# Altium PCB MB1166.PcbDoc (part 31 of 39) (continued)
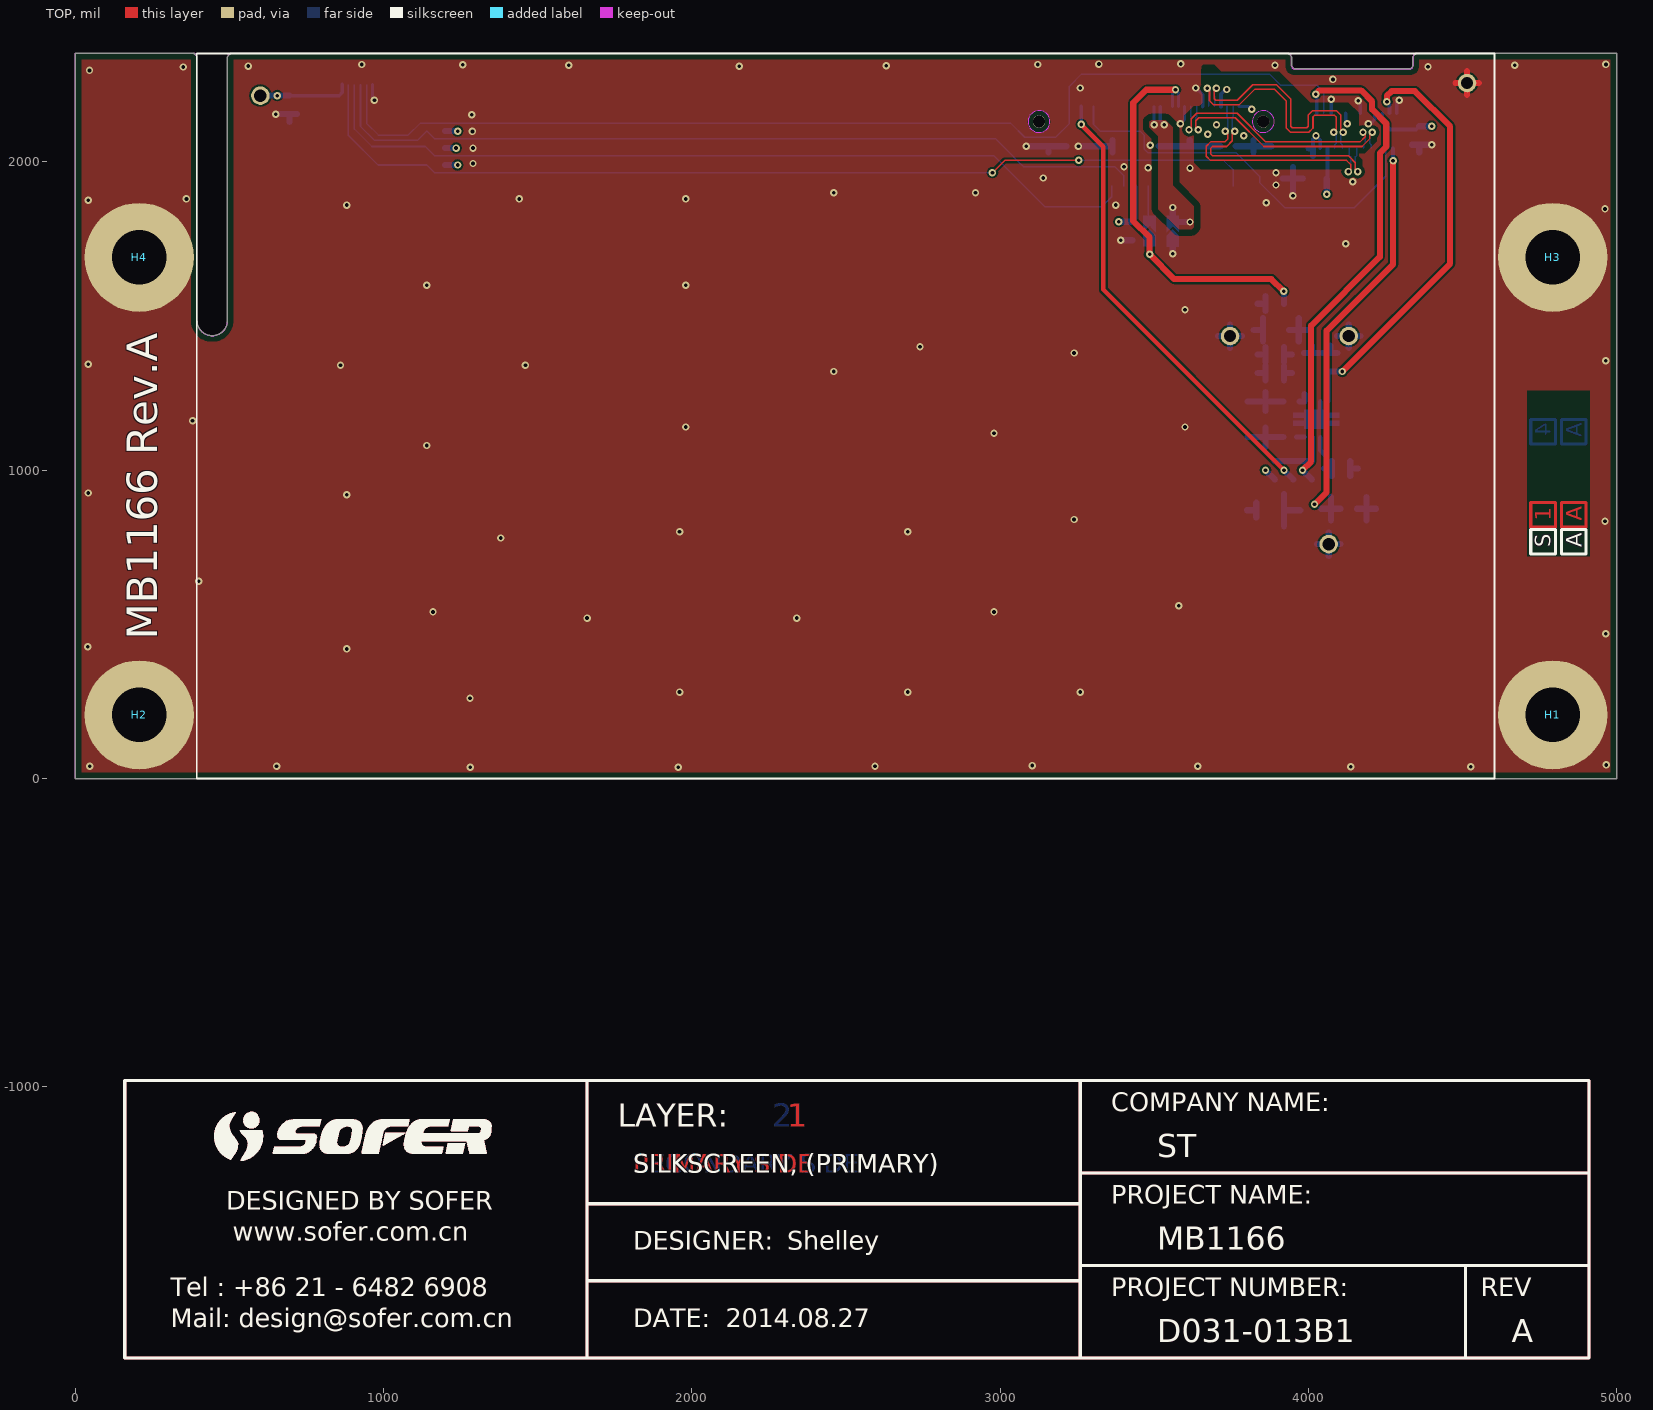
[diagram p0: TOP view]
## Nets (pads, with @x,y where several pads share a name; then routed paths per layer and width w, separated by ;. In a path a pad name is that pad's centre, name@x,y a point inside that pad or via, vN(x,y) a via of type N, cw(c..) or ccw(c..) an arc to the next point about the centre after c; other vN are vias at no path point) (continued)
; 1349.44,-1141.81 1349.44,-1141.71 ; 1349.44,-1141.71 1349.45,-1141.61 ; 1349.44,-1141.71 1349.45,-1141.61 ; 1349.45,-1141.61 1349.45,-1141.51 ; 1349.45,-1141.61 1349.45,-1141.51 ; 1349.45,-1141.51 1349.46,-1141.41 ; 1349.45,-1141.51 1349.46,-1141.41 ; 1349.46,-1141.41 1349.46,-1141.31 ; 1349.46,-1141.41 1349.46,-1141.31 ; 1349.46,-1141.31 1349.47,-1141.21 ; 1349.46,-1141.31 1349.47,-1141.21 ; 1349.47,-1141.21 1349.47,-1141.11 ; 1349.47,-1141.21 1349.47,-1141.11 ; 1349.47,-1141.11 1349.48,-1141.01 ; 1349.47,-1141.11 1349.48,-1141.01 ; 1349.47,-1136.81 1349.47,-1136.11 ; 1349.47,-1136.81 1349.48,-1136.91 ; 1349.47,-1136.81 1349.47,-1136.11 ; 1349.47,-1136.81 1349.48,-1136.91 ; 1349.47,-1136.11 1349.46,-1136.01 ; 1349.47,-1136.11 1349.46,-1136.01 ; 1349.46,-1136.01 1349.46,-1134.51 ; 1349.46,-1136.01 1349.46,-1134.51 ; 1349.46,-1134.51 1349.47,-1134.41 ; 1349.46,-1134.51 1349.47,-1134.41 ; 1349.47,-1134.41 1349.47,-1134.01 ; 1349.47,-1134.41 1349.47,-1134.01 ; 1349.47,-1134.01 1349.48,-1133.91 ; 1349.47,-1134.01 1349.48,-1133.91 ; 1349.47,-1130.71 1349.47,-1130.61 ; 1349.47,-1130.71 1349.48,-1130.81 ; 1349.47,-1130.71 1349.47,-1130.61 ; 1349.47,-1130.71 1349.48,-1130.81 ; 1349.47,-1130.61 1349.44,-1130.31 ; 1349.47,-1130.61 1349.44,-1130.31 ; 1349.44,-1130.31 1349.44,-1130.21 ; 1349.44,-1130.31 1349.44,-1130.21 ; 1349.48,-1141.01 1349.48,-1140.71 ; 1349.48,-1141.01 1349.48,-1140.71 ; 1349.48,-1140.71 1349.49,-1140.61 ; 1349.48,-1140.71 1349.49,-1140.61 ; 1349.49,-1140.61 1349.49,-1140.31 ; 1349.49,-1140.61 1349.49,-1140.31 ; 1349.49,-1140.31 1349.5,-1140.21 ; 1349.49,-1140.31 1349.5,-1140.21 ; 1349.5,-1140.21 1349.5,-1138.21 ; 1349.5,-1140.21 1349.5,-1138.21 ; 1349.5,-1138.21 1349.49,-1138.11 ; 1349.5,-1138.21 1349.49,-1138.11 ; 1349.49,-1138.11 1349.49,-1137.51 ; 1349.49,-1138.11 1349.49,-1137.51 ; 1349.49,-1137.51 1349.48,-1137.41 ; 1349.49,-1137.51 1349.48,-1137.41 ; 1349.48,-1137.41 1349.48,-1136.91 ; 1349.48,-1137.41 1349.48,-1136.91 ; 1349.48,-1133.91 1349.48,-1133.51 ; 1349.48,-1133.91 1349.48,-1133.51 ; 1349.48,-1133.51 1349.49,-1133.41 ; 1349.48,-1133.51 1349.49,-1133.41 ; 1349.49,-1133.41 1349.49,-1133.11 ; 1349.49,-1133.41 1349.49,-1133.11 ; 1349.49,-1133.11 1349.5,-1133.01 ; 1349.49,-1133.11 1349.5,-1133.01 ; 1349.5,-1133.01 1349.5,-1132.51 ; 1349.5,-1133.01 1349.5,-1132.51 ; 1349.5,-1132.52 1277.24,-1204.78 1349.5,-1132.52 ; 1349.5,-1132.51 1349.51,-1132.41 ; 1349.5,-1132.51 1349.51,-1132.41 ; 1349.51,-1132.41 1349.51,-1131.61 ; 1349.51,-1132.41 1349.51,-1131.61 ; 1349.51,-1131.61 1349.5,-1131.51 ; 1349.51,-1131.61 1349.5,-1131.51 ; 1349.5,-1131.51 1349.5,-1131.21 ; 1349.5,-1131.51 1349.5,-1131.21 ; 1349.5,-1131.21 1349.49,-1131.11 ; 1349.5,-1131.21 1349.49,-1131.11 ; 1349.49,-1131.11 1349.49,-1131.01 ; 1349.49,-1131.11 1349.49,-1131.01 ; 1349.49,-1131.01 1349.48,-1130.91 ; 1349.49,-1131.01 1349.48,-1130.91 ; 1349.48,-1130.91 1349.48,-1130.81 ; 1349.48,-1130.91 1349.48,-1130.81 ; 534.15,-1141.9 534.38,-1141.67 534.15,-1141.9 ; 545.75,-1112.33 574.9,-1083.19 545.75,-1112.33 ; 546.08,-1103.02 565.59,-1083.52 546.08,-1103.02 ; 546.57,-1116 578.56,-1084.01 546.57,-1116 ; 548.97,-1095.65 558.21,-1086.41 548.97,-1095.65 ; 642.91,-1214.98 662.16,-1195.74 642.91,-1214.98 ; 643.49,-1216.65 664.4,-1195.74 643.49,-1216.65 ; 643.55,-1212.11 659.91,-1195.74 643.55,-1212.11 ; 644.18,-1209.23 657.67,-1195.74 644.18,-1209.23 ; 644.81,-1206.35 655.42,-1195.74 644.81,-1206.35 ; 645.44,-1203.48 653.18,-1195.74 645.44,-1203.48 ; 645.74,-1216.65 666.65,-1195.74 645.74,-1216.65 ; 646.07,-1200.6 650.93,-1195.74 646.07,-1200.6 ; 647.98,-1216.65 668.89,-1195.74 647.98,-1216.65 ; 650.23,-1216.65 671.14,-1195.74 650.23,-1216.65 ; 652.47,-1216.65 673.38,-1195.74 652.47,-1216.65 ; 654.72,-1216.65 675.63,-1195.74 654.72,-1216.65 ; 656.64,-1156.36 706.23,-1106.77 656.64,-1156.36 ; 656.69,-1158.55 708.47,-1106.77 656.69,-1158.55 ; 656.86,-1153.89 703.98,-1106.77 656.86,-1153.89 ; 656.96,-1216.65 677.87,-1195.74 656.96,-1216.65 ; 657.17,-1151.34 701.39,-1107.12 657.17,-1151.34 ; 657.38,-1162.36 712.96,-1106.77 657.38,-1162.36 ; 657.46,-1148.8 698.64,-1107.62 657.46,-1148.8 ; 657.92,-1164.06 715.21,-1106.77 657.92,-1164.06 ; 658.18,-1145.84 695.75,-1108.27 658.18,-1145.84 ; 658.62,-1165.6 717.45,-1106.77 658.62,-1165.6 ; 659.21,-1216.65 680.12,-1195.74 659.21,-1216.65 ; 659.48,-1166.99 719.7,-1106.77 659.48,-1166.99 ; 659.73,-1142.04 692.67,-1109.1 659.73,-1142.04 ; 660.46,-1168.25 721.94,-1106.77 660.46,-1168.25 ; 661.45,-1216.65 682.36,-1195.74 661.45,-1216.65 ; 661.63,-1169.33 724.19,-1106.77 661.63,-1169.33 ; 662.02,-1137.5 689.27,-1110.26 662.02,-1137.5 ; 663.7,-1216.65 684.61,-1195.74 663.7,-1216.65 ; 664.6,-1132.68 685.22,-1112.06 664.6,-1132.68 ; 664.8,-1170.65 728.68,-1106.77 664.8,-1170.65 ; 665.95,-1216.65 686.85,-1195.74 665.95,-1216.65 ; 666.82,-1170.87 730.93,-1106.77 666.82,-1170.87 ; 668.19,-1216.65 689.1,-1195.74 668.19,-1216.65 ; 669.07,-1170.87 733.17,-1106.77 669.07,-1170.87 ; 670.44,-1216.65 691.34,-1195.74 670.44,-1216.65 ; 671.31,-1170.87 735.42,-1106.77 671.31,-1170.87 ; 672.68,-1216.65 693.59,-1195.74 672.68,-1216.65 ; 673.56,-1170.87 737.66,-1106.77 673.56,-1170.87 ; 674.93,-1216.65 695.83,-1195.74 674.93,-1216.65 ; 675.8,-1170.87 739.91,-1106.77 675.8,-1170.87 ; 677.17,-1216.65 698.08,-1195.74 677.17,-1216.65 ; 678.05,-1170.87 742.15,-1106.77 678.05,-1170.87 ; 679.42,-1216.65 700.32,-1195.74 679.42,-1216.65 ; 680.29,-1170.87 744.4,-1106.77 680.29,-1170.87 ; 681.66,-1216.65 702.57,-1195.74 681.66,-1216.65 ; 682.54,-1170.87 715.65,-1137.76 682.54,-1170.87 ; 683.91,-1216.65 704.81,-1195.74 683.91,-1216.65 ; 684.78,-1170.87 712.8,-1142.86 684.78,-1170.87 ; 686.15,-1216.65 707.06,-1195.74 686.15,-1216.65 ; 688.4,-1216.65 709.3,-1195.74 688.4,-1216.65 ; 689.27,-1170.87 712.07,-1148.07 689.27,-1170.87 ; 690.64,-1216.65 711.55,-1195.74 690.64,-1216.65 ; 691.52,-1170.87 712.61,-1149.78 691.52,-1170.87 ; 692.89,-1216.65 713.79,-1195.74 692.89,-1216.65 ; 693.76,-1170.87 713.63,-1151.01 693.76,-1170.87 ; 695.13,-1216.65 716.04,-1195.74 695.13,-1216.65 ; 696.01,-1170.87 714.89,-1151.99 696.01,-1170.87 ; 697.38,-1216.65 718.28,-1195.74 697.38,-1216.65 ; 698.26,-1170.87 716.68,-1152.44 698.26,-1170.87 ; 699.62,-1216.65 720.53,-1195.74 699.62,-1216.65 ; 700.5,-1170.87 718.92,-1152.44 700.5,-1170.87 ; 701.87,-1216.65 722.77,-1195.74 701.87,-1216.65 ; 702.75,-1170.87 721.17,-1152.44 702.75,-1170.87 ; 704.11,-1216.65 725.02,-1195.74 704.11,-1216.65 ; 704.99,-1170.87 723.41,-1152.44 704.99,-1170.87 ; 706.36,-1216.65 727.26,-1195.74 706.36,-1216.65 ; 707.24,-1170.87 725.66,-1152.44 707.24,-1170.87 ; 708.6,-1216.65 729.51,-1195.74 708.6,-1216.65 ; 709.48,-1170.87 727.9,-1152.44 709.48,-1170.87 ; 711.73,-1170.87 730.15,-1152.44 711.73,-1170.87 ; 713.09,-1216.65 735.89,-1193.85 713.09,-1216.65 ; 713.97,-1170.87 732.39,-1152.44 713.97,-1170.87 ; 715.34,-1216.65 739.74,-1192.24 715.34,-1216.65 ; 716.22,-1170.87 734.64,-1152.44 716.22,-1170.87 ; 717.58,-1216.65 778.43,-1155.8 717.58,-1216.65 ; 718.46,-1170.87 736.88,-1152.44 718.46,-1170.87 ; 719.83,-1216.65 779.5,-1156.97 719.83,-1216.65 ; 720,-1133.4 746.64,-1106.77 720,-1133.4 ; 720.71,-1170.87 739.13,-1152.44 720.71,-1170.87 ; 722.95,-1170.87 741.37,-1152.44 722.95,-1170.87 ; 724.32,-1216.65 781.25,-1159.71 724.32,-1216.65 ; 725.2,-1170.87 743.62,-1152.44 725.2,-1170.87 ; 725.57,-1130.09 748.89,-1106.77 725.57,-1130.09 ; 726.56,-1216.65 781.81,-1161.4 726.56,-1216.65 ; 727.44,-1170.87 745.86,-1152.44 727.44,-1170.87 ; 728.81,-1216.65 782.09,-1163.36 728.81,-1216.65 ; 729.12,-1128.78 751.13,-1106.77 729.12,-1128.78 ; 729.69,-1170.87 748.11,-1152.44 729.69,-1170.87 ; 731.05,-1216.65 782.13,-1165.57 731.05,-1216.65 ; 731.93,-1170.87 750.35,-1152.44 731.93,-1170.87 ; 732.2,-1127.95 753.38,-1106.77 732.2,-1127.95 ; 733.3,-1216.65 782.06,-1167.88 733.3,-1216.65 ; 734.18,-1170.87 752.6,-1152.44 734.18,-1170.87 ; 734.65,-1127.74 755.62,-1106.77 734.65,-1127.74 ; 735.54,-1216.65 782.05,-1170.14 735.54,-1216.65 ; 736.42,-1170.87 754.84,-1152.44 736.42,-1170.87 ; 736.89,-1127.74 757.87,-1106.77 736.89,-1127.74 ; 737.82,-1216.61 782.05,-1172.38 737.82,-1216.61 ; 738.67,-1170.87 757.09,-1152.44 738.67,-1170.87 ; 739.14,-1127.74 760.11,-1106.77 739.14,-1127.74 ; 740.39,-1216.29 781.92,-1174.76 740.39,-1216.29 ; 740.91,-1170.87 759.33,-1152.44 740.91,-1170.87 ; 741.38,-1127.74 762.36,-1106.77 741.38,-1127.74 ; 743.16,-1170.87 761.58,-1152.44 743.16,-1170.87 ; 743.2,-1215.72 781.52,-1177.41 743.2,-1215.72 ; 743.63,-1127.74 764.6,-1106.77 743.63,-1127.74 ; 745.4,-1170.87 763.82,-1152.44 745.4,-1170.87 ; 745.87,-1127.74 766.85,-1106.77 745.87,-1127.74 ; 746.15,-1215.02 780.67,-1180.5 746.15,-1215.02 ; 746.58,-1185.41 777.26,-1154.73 746.58,-1185.41 ; 747.09,-1171.42 766.07,-1152.44 747.09,-1171.42 ; 747.98,-1181.76 775.97,-1153.77 747.98,-1181.76 ; 748.12,-1127.74 769.09,-1106.77 748.12,-1127.74 ; 748.36,-1172.4 768.31,-1152.44 748.36,-1172.4 ; 748.78,-1178.71 774.55,-1152.94 748.78,-1178.71 ; 749.15,-1173.85 770.56,-1152.44 749.15,-1173.85 ; 749.25,-1214.17 779.27,-1184.14 749.25,-1214.17 ; 749.31,-1175.94 772.8,-1152.44 749.31,-1175.94 ; 750.36,-1127.74 771.34,-1106.77 750.36,-1127.74 ; 752.61,-1127.74 773.58,-1106.77 752.61,-1127.74 ; 752.84,-1212.82 777.27,-1188.39 752.84,-1212.82 ; 754.85,-1127.74 775.83,-1106.77 754.85,-1127.74 ; 757.1,-1127.74 778.07,-1106.77 757.1,-1127.74 ; 757.18,-1210.72 774.17,-1193.73 757.18,-1210.72 ; 759.34,-1127.74 780.32,-1106.77 759.34,-1127.74 ; 761.59,-1127.74 782.56,-1106.77 761.59,-1127.74 ; 763.83,-1127.74 784.81,-1106.77 763.83,-1127.74 ; 766.08,-1127.74 787.05,-1106.77 766.08,-1127.74 ; 768.32,-1127.74 789.3,-1106.77 768.32,-1127.74 ; 770.57,-1127.74 791.54,-1106.77 770.57,-1127.74 ; 772.81,-1127.74 793.79,-1106.77 772.81,-1127.74 ; 775.06,-1127.74 796.03,-1106.77 775.06,-1127.74 ; 777.3,-1127.74 796.39,-1108.65 777.3,-1127.74 ; 779.55,-1127.74 795.75,-1111.53 779.55,-1127.74 ; 781.79,-1127.74 795.12,-1114.41 781.79,-1127.74 ; 784.04,-1127.74 794.48,-1117.29 784.04,-1127.74 ; 786.28,-1127.74 793.85,-1120.17 786.28,-1127.74 ; 788.53,-1127.74 793.22,-1123.05 788.53,-1127.74 ; 793.79,-1192.08 879.13,-1106.74 793.79,-1192.08 ; 793.81,-1189.81 876.88,-1106.74 793.81,-1189.81 ; 793.8,-1185.33 872.39,-1106.74 793.8,-1185.33 ; 793.84,-1187.54 874.64,-1106.74 793.84,-1187.54 ; 793.85,-1183.04 870.15,-1106.74 793.85,-1183.04 ; 794.13,-1180.51 867.9,-1106.74 794.13,-1180.51 ; 794.58,-1198.02 885.86,-1106.74 794.58,-1198.02 ; 794.64,-1177.76 865.66,-1106.74 794.64,-1177.76 ; 795.24,-1174.92 863.41,-1106.74 795.24,-1174.92 ; 795.73,-1201.36 861.56,-1135.53 795.73,-1201.36 ; 795.85,-1172.05 861.17,-1106.74 795.85,-1172.05 ; 796.48,-1169.18 858.92,-1106.74 796.48,-1169.18 ; 797.12,-1166.3 856.68,-1106.74 797.12,-1166.3 ; 797.27,-1204.31 855.04,-1146.54 797.27,-1204.31 ; 797.76,-1163.41 854.43,-1106.74 797.76,-1163.41 ; 798.17,-1205.66 854.54,-1149.29 798.17,-1205.66 ; 799.16,-1206.91 854,-1152.07 799.16,-1206.91 ; 799.2,-1157.48 849.94,-1106.74 799.2,-1157.48 ; 800.06,-1154.37 847.7,-1106.74 800.06,-1154.37 ; 800.24,-1208.07 853.41,-1154.91 800.24,-1208.07 ; 801.07,-1151.12 845.11,-1107.08 801.07,-1151.12 ; 802.25,-1147.7 842.15,-1107.8 802.25,-1147.7 ; 803.69,-1144.01 838.98,-1108.72 803.69,-1144.01 ; 808.27,-1134.94 831.37,-1111.84 808.27,-1134.94 ; 811.66,-1214.62 847.94,-1178.33 811.66,-1214.62 ; 812.6,-1128.36 825.61,-1115.35 812.6,-1128.36 ; 815.29,-1215.48 847.48,-1183.29 815.29,-1215.48 ; 821.16,-1216.34 848.77,-1188.73 821.16,-1216.34 ; 825.65,-1216.34 850.81,-1191.18 825.65,-1216.34 ; 827.89,-1216.34 852.05,-1192.18 827.89,-1216.34 ; 832.38,-1216.34 854.83,-1193.9 832.38,-1216.34 ; 836.87,-1216.34 858.32,-1194.9 836.87,-1216.34 ; 839.12,-1216.34 860.17,-1195.29 839.12,-1216.34 ; 841.36,-1216.34 862.03,-1195.68 841.36,-1216.34 ; 843.61,-1216.34 863.9,-1196.05 843.61,-1216.34 ; 845.85,-1216.34 866.06,-1196.14 845.85,-1216.34 ; 848.1,-1216.34 868.55,-1195.89 848.1,-1216.34 ; 850.34,-1216.34 871.16,-1195.52 850.34,-1216.34 ; 852.59,-1216.34 873.88,-1195.05 852.59,-1216.34 ; 854.83,-1216.34 877.03,-1194.15 854.83,-1216.34 ; 857.08,-1216.34 880.87,-1192.56 857.08,-1216.34 ; 859.32,-1216.34 885.98,-1189.69 859.32,-1216.34 ; 861.57,-1216.34 930.07,-1147.84 861.57,-1216.34 ; 863.81,-1216.34 929.81,-1150.35 863.81,-1216.34 ; 868.3,-1216.34 929.19,-1155.46 868.3,-1216.34 ; 872.79,-1216.34 928.36,-1160.78 872.79,-1216.34 ; 875.04,-1216.34 927.71,-1163.68 875.04,-1216.34 ; 875.59,-1128.23 897.09,-1106.74 875.59,-1128.23 ; 878.31,-1127.76 899.33,-1106.74 878.31,-1127.76 ; 880.69,-1127.63 901.48,-1106.84 880.69,-1127.63 ; 881.77,-1216.34 925.76,-1172.36 881.77,-1216.34 ; 884.39,-1215.98 925.15,-1175.22 884.39,-1215.98 ; 885.03,-1127.78 905.36,-1107.45 885.03,-1127.78 ; 887.08,-1215.53 924.33,-1178.28 887.08,-1215.53 ; 888.8,-1186.86 930.12,-1145.55 888.8,-1186.86 ; 891.5,-1181.92 930.09,-1143.33 891.5,-1181.92 ; 892.34,-1129.44 912.24,-1109.55 892.34,-1129.44 ; 892.98,-1214.12 922.17,-1184.93 892.98,-1214.12 ; 893.69,-1130.34 913.85,-1110.18 893.69,-1130.34 ; 893.87,-1175.06 930.1,-1138.83 893.87,-1175.06 ; 896.08,-1166.11 929.5,-1132.7 896.08,-1166.11 ; 896.63,-1163.32 929.07,-1130.88 896.63,-1163.32 ; 897.55,-1157.91 928.04,-1127.42 897.55,-1157.91 ; 897.99,-1135.02 919.2,-1113.81 897.99,-1135.02 ; 898.7,-1150.03 926.12,-1122.61 898.7,-1150.03 ; 898.68,-1136.57 920.32,-1114.94 898.68,-1136.57 ; 899.25,-1138.25 921.45,-1116.06 899.25,-1138.25 ; 899.62,-1140.13 922.55,-1117.2 899.62,-1140.13 ; 929.95,-1215.32 998.4,-1146.87 929.95,-1215.32 ; 930.57,-1212.45 999.49,-1143.53 930.57,-1212.45 ; 931.17,-1216.34 997.93,-1149.58 931.17,-1216.34 ; 931.19,-1209.59 1003.05,-1137.72 931.19,-1209.59 ; 932.4,-1203.89 1029.55,-1106.74 932.4,-1203.89 ; 933,-1201.04 1027.3,-1106.74 933,-1201.04 ; 933.41,-1216.34 997.25,-1152.51 933.41,-1216.34 ; 933.59,-1198.2 1025.06,-1106.74 933.59,-1198.2 ; 934.19,-1195.36 1022.81,-1106.74 934.19,-1195.36 ; 935.38,-1189.68 1018.32,-1106.74 935.38,-1189.68 ; 935.99,-1186.83 1016.08,-1106.74 935.99,-1186.83 ; 936.59,-1183.98 1013.83,-1106.74 936.59,-1183.98 ; 937.21,-1181.12 1011.59,-1106.74 937.21,-1181.12 ; 937.83,-1178.25 1009.34,-1106.74 937.83,-1178.25 ; 937.9,-1216.34 996.28,-1157.97 937.9,-1216.34 ; 939.78,-1169.57 1002.6,-1106.74 939.78,-1169.57 ; 940.15,-1216.34 995.53,-1160.97 940.15,-1216.34 ; 940.46,-1166.64 1000.36,-1106.74 940.46,-1166.64 ; 941.16,-1163.7 998.11,-1106.74 941.16,-1163.7 ; 941.88,-1160.73 995.87,-1106.74 941.88,-1160.73 ; 944.4,-1151.47 988.36,-1107.52 944.4,-1151.47 ; 944.64,-1216.34 994.31,-1166.68 944.64,-1216.34 ; 946.98,-1144.41 982.35,-1109.03 946.98,-1144.41 ; 951.37,-1216.34 992.74,-1174.97 951.37,-1216.34 ; 953.62,-1216.34 992.11,-1177.85 953.62,-1216.34 ; 956.52,-1128.13 968.82,-1115.83 956.52,-1128.13 ; 958.11,-1216.34 990.73,-1183.72 958.11,-1216.34 ; 962.6,-1216.34 989.29,-1189.65 962.6,-1216.34 ; 971.58,-1216.34 986.59,-1201.33 971.58,-1216.34 ; 976.07,-1216.34 985.32,-1207.09 976.07,-1216.34 ; 978.31,-1216.34 984.68,-1209.97 978.31,-1216.34 ; 980.56,-1216.34 984.04,-1212.86 980.56,-1216.34 ; 982.8,-1216.34 983.38,-1215.77 982.8,-1216.34 ; 998.62,-1189.3 1037.73,-1150.19 998.62,-1189.3 ; 999.23,-1186.45 1035.48,-1150.19 999.23,-1186.45 ; 999.83,-1183.6 1033.24,-1150.19 999.83,-1183.6 ; 1000.44,-1180.75 1030.99,-1150.19 1000.44,-1180.75 ; 1001.04,-1177.9 1028.75,-1150.19 1001.04,-1177.9 ; 1001.65,-1175.05 1026.5,-1150.19 1001.65,-1175.05 ; 1002.25,-1172.2 1024.26,-1150.19 1002.25,-1172.2 ; 1002.87,-1187.3 1039.97,-1150.19 1002.87,-1187.3 ; 1002.86,-1169.35 1022.01,-1150.19 1002.86,-1169.35 ; 1003.46,-1166.5 1019.77,-1150.19 1003.46,-1166.5 ; 1004.07,-1163.65 1017.52,-1150.19 1004.07,-1163.65 ; 1004.68,-1160.8 1015.28,-1150.19 1004.68,-1160.8 ; 1005.28,-1157.95 1013.03,-1150.19 1005.28,-1157.95 ; 1005.89,-1155.1 1010.79,-1150.19 1005.89,-1155.1 ; 1006.49,-1152.24 1008.54,-1150.19 1006.49,-1152.24 ; 1007.77,-1133.01 1034.04,-1106.74 1007.77,-1133.01 ; 1007.89,-1184.52 1042.22,-1150.19 1007.89,-1184.52 ; 1012.91,-1181.74 1044.46,-1150.19 1012.91,-1181.74 ; 1013.03,-1129.99 1036.28,-1106.74 1013.03,-1129.99 ; 1016.56,-1128.71 1038.53,-1106.74 1016.56,-1128.71 ; 1017.94,-1178.97 1046.71,-1150.19 1017.94,-1178.97 ; 1019.72,-1127.79 1040.77,-1106.74 1019.72,-1127.79 ; 1022,-1127.76 1043.02,-1106.74 1022,-1127.76 ; 1022.96,-1176.19 1048.95,-1150.19 1022.96,-1176.19 ; 1024.24,-1127.76 1045.26,-1106.74 1024.24,-1127.76 ; 1026.49,-1127.76 1047.51,-1106.74 1026.49,-1127.76 ; 1027.98,-1173.41 1051.2,-1150.19 1027.98,-1173.41 ; 1028.73,-1127.76 1049.75,-1106.74 1028.73,-1127.76 ; 1030.98,-1127.76 1052,-1106.74 1030.98,-1127.76 ; 1033,-1170.64 1053.44,-1150.19 1033,-1170.64 ; 1033.22,-1127.76 1054.24,-1106.74 1033.22,-1127.76 ; 1035.47,-1127.76 1056.49,-1106.74 1035.47,-1127.76 ; 1037.71,-1127.76 1058.73,-1106.74 1037.71,-1127.76 ; 1038.02,-1167.86 1055.69,-1150.19 1038.02,-1167.86 ; 1039.96,-1127.76 1060.98,-1106.74 1039.96,-1127.76 ; 1042.2,-1127.76 1063.22,-1106.74 1042.2,-1127.76 ; 1043.04,-1165.08 1057.93,-1150.19 1043.04,-1165.08 ; 1044.45,-1127.76 1065.47,-1106.74 1044.45,-1127.76 ; 1046.69,-1127.76 1067.71,-1106.74 1046.69,-1127.76 ; 1048.07,-1162.31 1060.18,-1150.19 1048.07,-1162.31 ; 1048.94,-1127.76 1069.96,-1106.74 1048.94,-1127.76 ; 1051.18,-1127.76 1072.2,-1106.74 1051.18,-1127.76 ; 1053.09,-1159.53 1062.42,-1150.19 1053.09,-1159.53 ; 1053.43,-1127.76 1074.45,-1106.74 1053.43,-1127.76 ; 1055.67,-1127.76 1076.69,-1106.74 1055.67,-1127.76 ; 1057.92,-1127.76 1078.94,-1106.74 1057.92,-1127.76 ; 1058.11,-1156.75 1064.67,-1150.19 1058.11,-1156.75 ; 1060.16,-1127.76 1081.18,-1106.74 1060.16,-1127.76 ; 1062.41,-1127.76 1083.43,-1106.74 1062.41,-1127.76 ; 1063.13,-1153.98 1066.91,-1150.19 1063.13,-1153.98 ; 1064.65,-1127.76 1082.91,-1109.5 1064.65,-1127.76 ; 1066.9,-1127.76 1082.3,-1112.35 1066.9,-1127.76 ; 1067.35,-1187.93 1148.53,-1106.74 1067.35,-1187.93 ; 1067.37,-1185.66 1146.29,-1106.74 1067.37,-1185.66 ; 1067.52,-1192.24 1153.02,-1106.74 1067.52,-1192.24 ; 1067.68,-1180.86 1141.8,-1106.74 1067.68,-1180.86 ; 1068.08,-1196.18 1157.51,-1106.74 1068.08,-1196.18 ; 1068.15,-1151.2 1069.16,-1150.19 1068.15,-1151.2 ; 1068.47,-1175.58 1137.31,-1106.74 1068.47,-1175.58 ; 1068.53,-1197.97 1159.76,-1106.74 1068.53,-1197.97 ; 1069.1,-1199.65 1162,-1106.74 1069.1,-1199.65 ; 1069.14,-1127.76 1081.7,-1115.2 1069.14,-1127.76 ; 1069.8,-1169.76 1132.82,-1106.74 1069.8,-1169.76 ; 1070.53,-1166.78 1130.57,-1106.74 1070.53,-1166.78 ; 1071.19,-1163.88 1128.33,-1106.74 1071.19,-1163.88 ; 1071.39,-1127.76 1081.1,-1118.05 1071.39,-1127.76 ; 1071.81,-1161.02 1126.08,-1106.74 1071.81,-1161.02 ; 1073.22,-1155.11 1121.59,-1106.74 1073.22,-1155.11 ; 1073.37,-1206.6 1127.94,-1152.03 1073.37,-1206.6 ; 1074.2,-1151.89 1119.35,-1106.74 1074.2,-1151.89 ; 1074.41,-1207.81 1130.19,-1152.03 1074.41,-1207.81 ; 1075.51,-1208.95 1132.43,-1152.03 1075.51,-1208.95 ; 1075.88,-1127.76 1079.89,-1123.75 1075.88,-1127.76 ; 1076.72,-1209.99 1134.68,-1152.03 1076.72,-1209.99 ; 1078.04,-1210.91 1136.92,-1152.03 1078.04,-1210.91 ; 1078.7,-1140.66 1110.73,-1108.63 1078.7,-1140.66 ; 1079.5,-1211.69 1139.17,-1152.03 1079.5,-1211.69 ; 1080.98,-1136.13 1106.98,-1110.12 1080.98,-1136.13 ; 1081.05,-1212.39 1141.41,-1152.03 1081.05,-1212.39 ; 1082.64,-1213.05 1143.66,-1152.03 1082.64,-1213.05 ; 1084.26,-1213.67 1121.54,-1176.39 1084.26,-1213.67 ; 1084.57,-1130.29 1101.8,-1113.07 1084.57,-1130.29 ; 1089.55,-1215.11 1121.07,-1183.6 1089.55,-1215.11 ; 1099.55,-1216.34 1124.67,-1191.22 1099.55,-1216.34 ; 1101.79,-1216.34 1125.88,-1192.26 1101.79,-1216.34 ; 1104.04,-1216.34 1127.36,-1193.02 1104.04,-1216.34 ; 1106.28,-1216.34 1128.97,-1193.65 1106.28,-1216.34 ; 1108.53,-1216.34 1130.66,-1194.21 1108.53,-1216.34 ; 1110.77,-1216.34 1132.4,-1194.71 1110.77,-1216.34 ; 1115.26,-1216.34 1135.94,-1195.66 1115.26,-1216.34 ; 1117.51,-1216.34 1138.11,-1195.74 1117.51,-1216.34 ; 1119.75,-1216.34 1140.36,-1195.74 1119.75,-1216.34 ; 1121.96,-1175.97 1145.9,-1152.03 1121.96,-1175.97 ; 1122,-1216.34 1142.6,-1195.74 1122,-1216.34 ; 1124.21,-1175.97 1148.15,-1152.03 1124.21,-1175.97 ; 1124.24,-1216.34 1144.85,-1195.74 1124.24,-1216.34 ; 1126.45,-1175.97 1150.39,-1152.03 1126.45,-1175.97 ; 1126.49,-1216.34 1147.09,-1195.74 1126.49,-1216.34 ; 1128.7,-1175.97 1152.64,-1152.03 1128.7,-1175.97 ; 1128.73,-1216.34 1149.34,-1195.74 1128.73,-1216.34 ; 1130.94,-1175.97 1154.88,-1152.03 1130.94,-1175.97 ; 1130.98,-1216.34 1151.59,-1195.74 1130.98,-1216.34 ; 1133.22,-1216.34 1153.83,-1195.74 1133.22,-1216.34 ; 1133.19,-1175.97 1157.13,-1152.03 1133.19,-1175.97 ; 1135.47,-1216.34 1156.08,-1195.74 1135.47,-1216.34 ; 1135.43,-1175.97 1159.37,-1152.03 1135.43,-1175.97 ; 1137.71,-1216.34 1158.32,-1195.74 1137.71,-1216.34 ; 1137.68,-1175.97 1161.62,-1152.03 1137.68,-1175.97 ; 1139.92,-1175.97 1163.86,-1152.03 1139.92,-1175.97 ; 1139.96,-1216.34 1160.57,-1195.74 1139.96,-1216.34 ; 1140.05,-1130.94 1164.25,-1106.74 1140.05,-1130.94 ; 1142.17,-1175.97 1166.11,-1152.03 1142.17,-1175.97 ; 1142.2,-1216.34 1162.81,-1195.74 1142.2,-1216.34 ; 1144.41,-1175.97 1168.35,-1152.03 1144.41,-1175.97 ; 1144.45,-1216.34 1165.06,-1195.74 1144.45,-1216.34 ; 1146.66,-1175.97 1170.6,-1152.03 1146.66,-1175.97 ; 1146.69,-1216.34 1167.3,-1195.74 1146.69,-1216.34 ; 1148.9,-1175.97 1172.84,-1152.03 1148.9,-1175.97 ; 1148.94,-1216.34 1169.55,-1195.74 1148.94,-1216.34 ; 1150.77,-1126.95 1170.98,-1106.74 1150.77,-1126.95 ; 1151.15,-1175.97 1175.09,-1152.03 1151.15,-1175.97 ; 1151.18,-1216.34 1171.79,-1195.74 1151.18,-1216.34 ; 1153.02,-1126.95 1173.23,-1106.74 1153.02,-1126.95 ; 1153.39,-1175.97 1177.33,-1152.03 1153.39,-1175.97 ; 1153.43,-1216.34 1174.04,-1195.74 1153.43,-1216.34 ; 1155.26,-1126.95 1175.47,-1106.74 1155.26,-1126.95 ; 1155.67,-1216.34 1176.28,-1195.74 1155.67,-1216.34 ; 1155.64,-1175.97 1179.58,-1152.03 1155.64,-1175.97 ; 1157.51,-1126.95 1177.72,-1106.74 1157.51,-1126.95 ; 1157.92,-1216.34 1178.53,-1195.74 1157.92,-1216.34 ; 1157.88,-1175.97 1181.82,-1152.03 1157.88,-1175.97 ; 1159.75,-1126.95 1179.97,-1106.74 1159.75,-1126.95 ; 1160.16,-1216.34 1180.77,-1195.74 1160.16,-1216.34 ; 1160.13,-1175.97 1184.07,-1152.03 1160.13,-1175.97 ; 1162,-1126.95 1182.21,-1106.74 1162,-1126.95 ; 1162.37,-1175.97 1186.31,-1152.03 1162.37,-1175.97 ; 1162.41,-1216.34 1183.02,-1195.74 1162.41,-1216.34 ; 1164.24,-1126.95 1184.46,-1106.74 1164.24,-1126.95 ; 1164.62,-1175.97 1188.56,-1152.03 1164.62,-1175.97 ; 1164.65,-1216.34 1185.26,-1195.74 1164.65,-1216.34 ; 1166.49,-1126.95 1186.7,-1106.74 1166.49,-1126.95 ; 1166.86,-1175.97 1190.8,-1152.03 1166.86,-1175.97 ; 1166.9,-1216.34 1187.51,-1195.74 1166.9,-1216.34 ; 1168.73,-1126.95 1188.95,-1106.74 1168.73,-1126.95 ; 1169.11,-1175.97 1193.05,-1152.03 1169.11,-1175.97 ; 1169.14,-1216.34 1189.75,-1195.74 1169.14,-1216.34 ; 1170.98,-1126.95 1191.19,-1106.74 1170.98,-1126.95 ; 1171.35,-1175.97 1195.29,-1152.03 1171.35,-1175.97 ; 1171.39,-1216.34 1192,-1195.74 1171.39,-1216.34 ; 1173.22,-1126.95 1193.44,-1106.74 1173.22,-1126.95 ; 1173.6,-1175.97 1197.54,-1152.03 1173.6,-1175.97 ; 1173.63,-1216.34 1193.93,-1196.05 1173.63,-1216.34 ; 1175.47,-1126.95 1195.68,-1106.74 1175.47,-1126.95 ; 1175.84,-1175.97 1199.78,-1152.03 1175.84,-1175.97 ; 1175.88,-1216.34 1193.22,-1199 1175.88,-1216.34 ; 1177.71,-1126.95 1197.93,-1106.74 1177.71,-1126.95 ; 1178.12,-1216.34 1192.52,-1201.95 1178.12,-1216.34 ; 1178.09,-1175.97 1202.03,-1152.03 1178.09,-1175.97 ; 1179.96,-1126.95 1200.17,-1106.74 1179.96,-1126.95 ; 1180.37,-1216.34 1191.81,-1204.9 1180.37,-1216.34 ; 1180.33,-1175.97 1204.27,-1152.03 1180.33,-1175.97 ; 1182.2,-1126.95 1202.42,-1106.74 1182.2,-1126.95 ; 1182.61,-1216.34 1191.11,-1207.85 1182.61,-1216.34 ; 1182.58,-1175.97 1206.52,-1152.03 1182.58,-1175.97 ; 1184.45,-1126.95 1204.66,-1106.74 1184.45,-1126.95 ; 1184.82,-1175.97 1208.76,-1152.03 1184.82,-1175.97 ; 1184.86,-1216.34 1190.41,-1210.8 1184.86,-1216.34 ; 1186.7,-1126.95 1206.91,-1106.74 1186.7,-1126.95 ; 1187.07,-1175.97 1211.01,-1152.03 1187.07,-1175.97 ; 1187.1,-1216.34 1189.7,-1213.75 1187.1,-1216.34 ; 1188.94,-1126.95 1209.15,-1106.74 1188.94,-1126.95 ; 1189.31,-1175.97 1213.25,-1152.03 1189.31,-1175.97 ; 1191.19,-1126.95 1211.4,-1106.74 1191.19,-1126.95 ; 1191.56,-1175.97 1215.5,-1152.03 1191.56,-1175.97 ; 1193.8,-1175.97 1217.74,-1152.03 1193.8,-1175.97 ; 1195.68,-1126.95 1213.01,-1109.61 1195.68,-1126.95 ; 1196.05,-1175.97 1219.99,-1152.03 1196.05,-1175.97 ; 1197.92,-1126.95 1212.36,-1112.51 1197.92,-1126.95 ; 1198.29,-1175.97 1222.23,-1152.03 1198.29,-1175.97 ; 1200.17,-1126.95 1211.7,-1115.41 1200.17,-1126.95 ; 1200.54,-1175.97 1224.48,-1152.03 1200.54,-1175.97 ; 1202.41,-1126.95 1211.05,-1118.31 1202.41,-1126.95 ; 1202.78,-1175.97 1226.72,-1152.03 1202.78,-1175.97 ; 1203.19,-1215.97 1234.93,-1184.24 1203.19,-1215.97 ; 1203.82,-1213.1 1232.68,-1184.24 1203.82,-1213.1 ; 1204.44,-1210.23 1230.44,-1184.24 1204.44,-1210.23 ; 1204.66,-1126.95 1210.39,-1121.22 1204.66,-1126.95 ; 1205.06,-1216.34 1237.17,-1184.24 1205.06,-1216.34 ; 1205.07,-1207.36 1228.19,-1184.24 1205.07,-1207.36 ; 1205.03,-1175.97 1228.97,-1152.03 1205.03,-1175.97 ; 1205.7,-1204.49 1225.95,-1184.24 1205.7,-1204.49 ; 1206.32,-1201.62 1223.7,-1184.24 1206.32,-1201.62 ; 1206.9,-1126.95 1209.73,-1124.12 1206.9,-1126.95 ; 1206.95,-1198.74 1221.46,-1184.24 1206.95,-1198.74 ; 1207.27,-1175.97 1231.21,-1152.03 1207.27,-1175.97 ; 1207.31,-1216.34 1239.42,-1184.24 1207.31,-1216.34 ; 1207.58,-1195.87 1219.21,-1184.24 1207.58,-1195.87 ; 1208.2,-1193 1216.97,-1184.24 1208.2,-1193 ; 1208.83,-1190.13 1214.72,-1184.24 1208.83,-1190.13 ; 1209.46,-1187.26 1212.48,-1184.24 1209.46,-1187.26 ; 1209.52,-1175.97 1233.46,-1152.03 1209.52,-1175.97 ; 1209.55,-1216.34 1241.66,-1184.24 1209.55,-1216.34 ; 1210.08,-1184.38 1210.23,-1184.24 1210.08,-1184.38 ; 1211.76,-1175.97 1235.7,-1152.03 1211.76,-1175.97 ; 1211.8,-1216.34 1243.91,-1184.24 1211.8,-1216.34 ; 1214.01,-1175.97 1237.95,-1152.03 1214.01,-1175.97 ; 1214.04,-1216.34 1246.15,-1184.24 1214.04,-1216.34 ; 1216.25,-1175.97 1240.19,-1152.03 1216.25,-1175.97 ; 1216.29,-1216.34 1248.4,-1184.24 1216.29,-1216.34 ; 1218.5,-1175.97 1242.44,-1152.03 1218.5,-1175.97 ; 1218.53,-1216.34 1250.64,-1184.24 1218.53,-1216.34 ; 1219.59,-1143.45 1256.3,-1106.74 1219.59,-1143.45 ; 1220.2,-1140.6 1254.05,-1106.74 1220.2,-1140.6 ; 1220.74,-1175.97 1244.68,-1152.03 1220.74,-1175.97 ; 1220.78,-1216.34 1252.89,-1184.24 1220.78,-1216.34 ; 1220.83,-1137.71 1251.81,-1106.74 1220.83,-1137.71 ; 1221.47,-1134.83 1249.56,-1106.74 1221.47,-1134.83 ; 1221.84,-1143.45 1258.54,-1106.74 1221.84,-1143.45 ; 1222.11,-1131.95 1247.32,-1106.74 1222.11,-1131.95 ; 1222.75,-1129.06 1245.07,-1106.74 1222.75,-1129.06 ; 1223.02,-1216.34 1255.13,-1184.24 1223.02,-1216.34 ; 1222.99,-1175.97 1246.93,-1152.03 1222.99,-1175.97 ; 1223.39,-1126.18 1242.83,-1106.74 1223.39,-1126.18 ; 1224.02,-1123.3 1240.58,-1106.74 1224.02,-1123.3 ; 1224.08,-1143.45 1260.79,-1106.74 1224.08,-1143.45 ; 1224.66,-1120.41 1238.34,-1106.74 1224.66,-1120.41 ; 1225.27,-1216.34 1257.38,-1184.24 1225.27,-1216.34 ; 1225.23,-1175.97 1249.17,-1152.03 1225.23,-1175.97 ; 1225.3,-1117.53 1236.09,-1106.74 1225.3,-1117.53 ; 1225.94,-1114.65 1233.85,-1106.74 1225.94,-1114.65 ; 1226.33,-1143.45 1263.03,-1106.74 1226.33,-1143.45 ; 1226.58,-1111.76 1231.6,-1106.74 1226.58,-1111.76 ; 1227.22,-1108.88 1229.36,-1106.74 1227.22,-1108.88 ; 1227.51,-1216.34 1259.62,-1184.24 1227.51,-1216.34 ; 1227.48,-1175.97 1251.42,-1152.03 1227.48,-1175.97 ; 1228.57,-1143.45 1265.28,-1106.74 1228.57,-1143.45 ; 1229.72,-1175.97 1253.66,-1152.03 1229.72,-1175.97 ; 1229.76,-1216.34 1261.87,-1184.24 1229.76,-1216.34 ; 1230.82,-1143.45 1267.52,-1106.74 1230.82,-1143.45 ; 1231.97,-1175.97 1255.91,-1152.03 1231.97,-1175.97 ; 1232,-1216.34 1264.04,-1184.31 1232,-1216.34 ; 1233.06,-1143.45 1269.77,-1106.74 1233.06,-1143.45 ; 1234.21,-1175.97 1258.15,-1152.03 1234.21,-1175.97 ; 1234.25,-1216.34 1263.4,-1187.19 1234.25,-1216.34 ; 1235.31,-1143.45 1272.01,-1106.74 1235.31,-1143.45